# Altium PCB Cueing-PCB-Mk2_4302024.PcbDoc (continued)
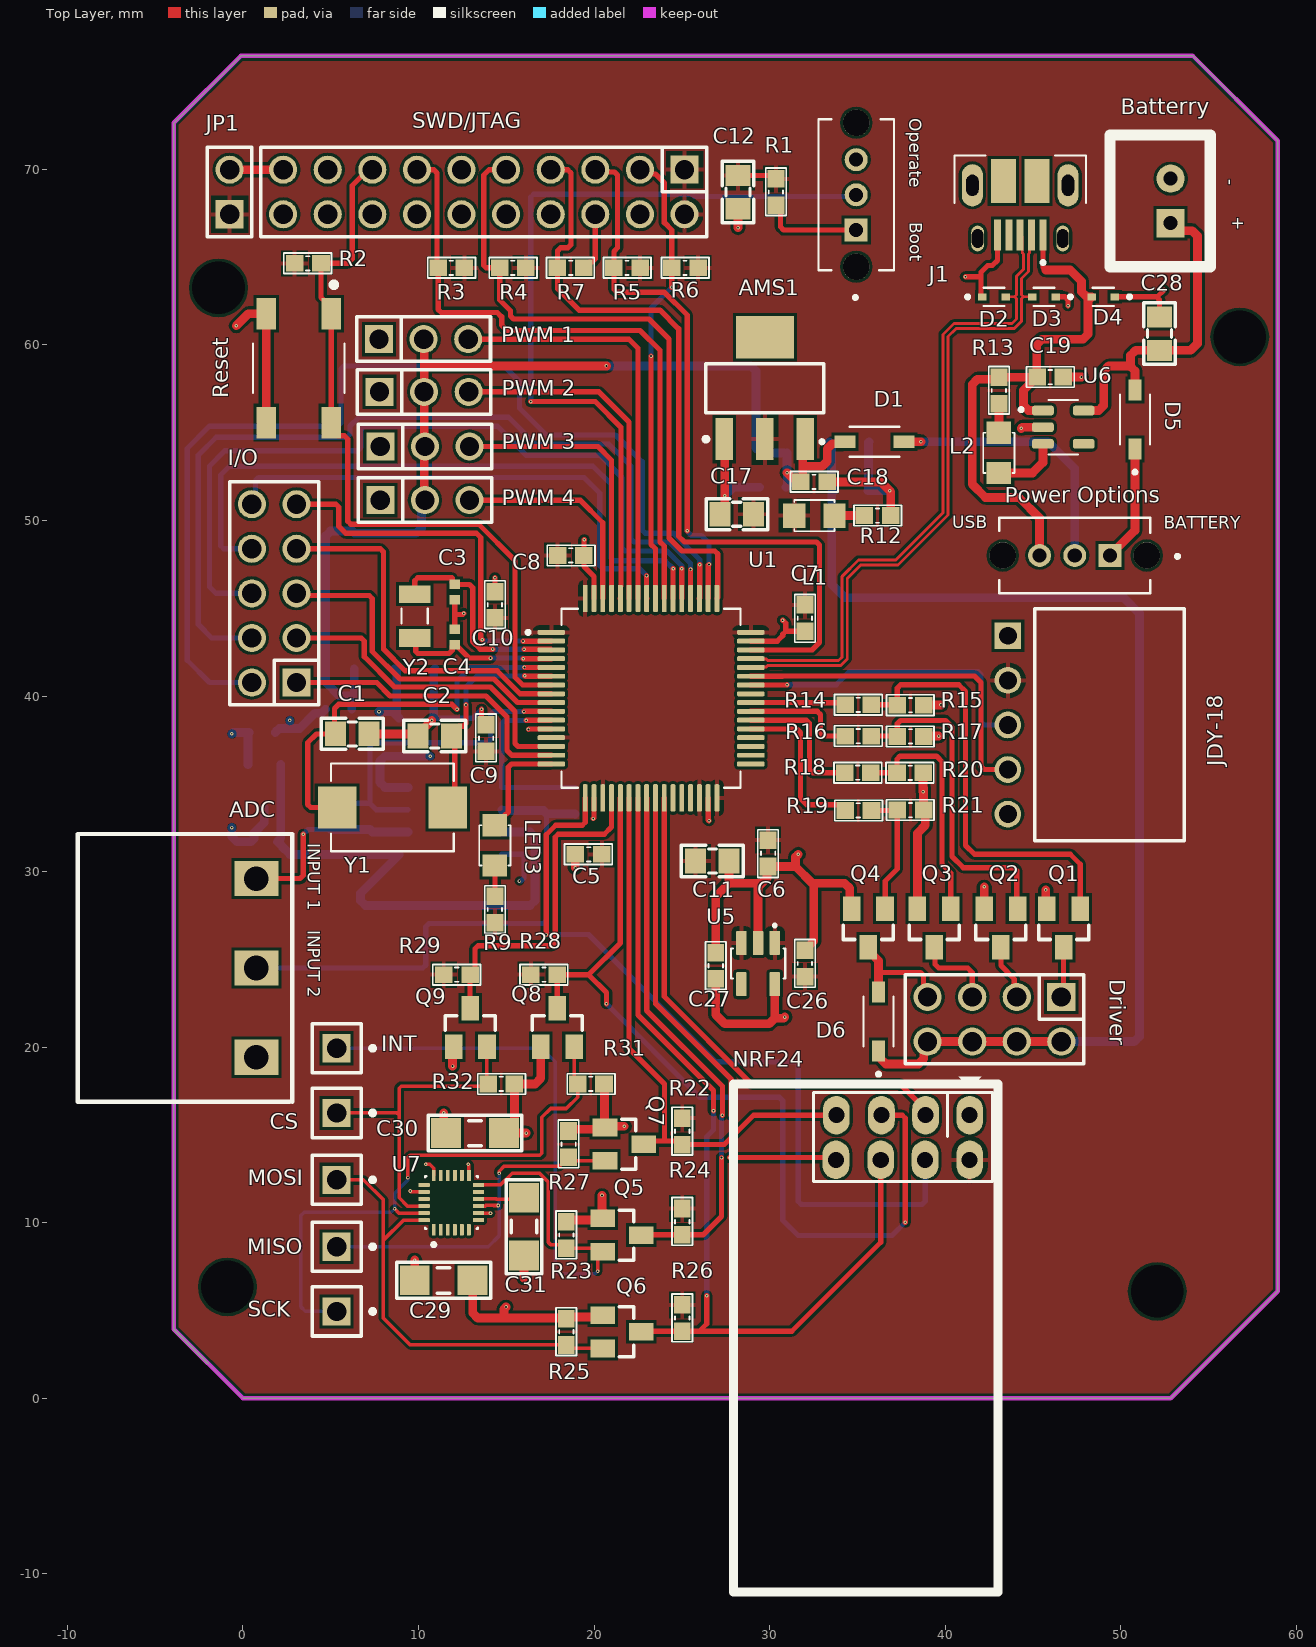
[diagram p0: Top Layer view]
## Footprints (in the part's own frame and the unit in brackets; to place one, negate y for a bottom-side part, rotate by r counter-clockwise, add the part's x,y. Pads: shape width x height; smd on the part's side, far side on the other; paste and mask are expansions set on the pad) (continued)
  rrect50% 0.28x1.56 smd: 17(-3.75,-5.68) 18(-3.25,-5.68) 19(-2.75,-5.68) 20(-2.25,-5.68) 21(-1.75,-5.68) 22(-1.25,-5.68) 23(-0.75,-5.68) 24(-0.25,-5.68) 25(0.25,-5.68) 26(0.75,-5.68) 27(1.25,-5.68) 28(1.75,-5.68) 29(2.25,-5.68) 30(2.75,-5.68) 31(3.25,-5.68) 32(3.75,-5.68) 49(3.75,5.68) 50(3.25,5.68) 51(2.75,5.68) 52(2.25,5.68) 53(1.75,5.68) 54(1.25,5.68) 55(0.75,5.68) 56(0.25,5.68) 57(-0.25,5.68) 58(-0.75,5.68) 59(-1.25,5.68) 60(-1.75,5.68) 61(-2.25,5.68) 62(-2.75,5.68) 63(-3.25,5.68) 64(-3.75,5.68)
  silkscreen extent -7.1,-5.1 5.1,5.1
SOD3715X145N [mm]
  rect 1.21x0.73 smd: A(1.68,0) C(-1.68,0)
  silkscreen extent -3.1,-0.85 1.43,0.85, body extent -1.83,-0.77 1.83,0.77, height 0.8
SOIC127P599X175-8N [mm]
  rrect25% 1.58x0.6 smd: 1(-2.67,1.905) 2(-2.67,0.635) 3(-2.67,-0.635) 4(-2.67,-1.905) 5(2.67,-1.905) 6(2.67,-0.635) 7(2.67,0.635) 8(2.67,1.905)
  silkscreen extent -4.35,-2.52 1.99,2.6, body extent -3,-2.45 3,2.45, height 1.75
SOT23 [mm]
  rect 1x1.4 smd: 1(-0.95,-1.1) 2(0.95,-1.1) 3(0,1.1)
  silkscreen extent -1.42,-0.15 1.42,0.66, body extent -1.18,-1.46 1.18,1.46, height 1.25
SOT95P275X110-5N [mm]
  rrect50% 1.24x0.55 smd: 1(-1.16,0.95) 2(-1.16,0) 3(-1.16,-0.95) 4(1.16,-0.95) 5(1.16,0.95)
  silkscreen extent -2.5,-1.55 0.83,1.55
SOT95P280X100-5N [mil]
  rect 48x20 smd: 1(-48,37) 2(-48,0) 3(-48,-37) 4(48,-37) 5(48,37)
  silkscreen extent -16,-57 34,57, body extent -55,-57 55,57, height 39
SOT95P285X145-5N [mm]
  rrect15% 1.37x0.59 smd: 1(-1.175,0.95) 2(-1.175,0) 3(-1.175,-0.95) 4(1.175,-0.95) 5(1.175,0.95)
  silkscreen extent -2.23,-1.55 0.85,1.55, body extent -1.4,-1.5 1.4,1.5, height 1.4
SOT223 [mm]
  rect 1x2.4 smd: 1(-2.3,-2.9) 2(0,-2.9) 3(2.3,-2.9)
  rect 3.3x2.4 smd: 4(0,2.9)
  silkscreen extent -3.47,-3.02 3.35,1.4, body extent -3.25,-3.56 3.25,3.4, height 1.68
SW_OS102011MS2QN1 [mm]
  rect 1.308x1.308 hole 0.8: 1(-2,0)
  round 1.308 hole 0.8: 2(0,0) 3(2,0)
  round 1.5 hole 1.5 unplated: ""(-4.1,0) ""(4.1,0)
  silkscreen extent -5.95,-2.15 4.3,2.15, body extent -4.3,-2.15 4.3,2.15, height 4.4
SW_SKQGAFE010 [mm]
  rect 1.8x1.1 smd: 1(-3.1,1.85) 2(3.1,1.85) 3(-3.1,-1.85) 4(3.1,-1.85)
  silkscreen extent -4.9,-2.6 1.4,2.6
"tro smd 0603" [mm] "Chip Capacitor, 2-Leads, Body 1,60x0,80mm, IPC Medium Density"
  rect 1x0.95 smd mask+0.076: 1(-0.75,0) 2(0.75,0)
  silkscreen extent -1.35,-0.58 1.37,0.58, body extent -0.82,-0.42 0.82,0.43, height 0.44
"tu 0603" [mm] "Chip Capacitor, 2-Leads, Body 1,60x0,80mm, IPC Medium Density"
  rect 1x0.95 smd mask+0.076: 1(-0.75,0) 2(0.75,0)
  silkscreen extent -1.35,-0.58 1.37,0.58, body extent -0.8,-0.4 0.8,0.4, height 0.9
"tu 0805" [mm] "Compoment SMD 80x50mil"
  rect 1.2x1.4 smd: 1(-0.946,-0.003) 2(0.954,-0.003)
  silkscreen extent -1.75,-0.89 1.75,0.89, body extent -1.01,-0.64 1.01,0.63, height 0.61
"tu 1206" [mm]
  rect 1.7x1.7 smd: 1(-1.65,0) 2(1.65,0)
  silkscreen extent -2.67,-1.02 2.67,1.02, body extent -1.57,-0.8 1.63,0.8, height 0.94
TVS_LESD5D5.0CT1G [mm]
  rect 0.48x0.4 smd: 1(-0.66,0) 2(0.66,0)
  silkscreen extent -1.6,-0.52 0.6,0.52, body extent -0.8,-0.4 0.8,0.4, height 0.7
XH2.54M-2 [mm]
  rect 1.6x1.6 hole 0.8: 1(0,0)
  round 1.6 hole 0.8: 2(2.54,0)
  silkscreen extent -2.48,-2.26 5.02,3.46, body extent -2.48,-2.26 5.02,3.48, height 6.91
XTAL_CM7V-T1A-32.768KHZ-12.5PF-100PPM-TB-QC [mm]
  rect 1x1.8 smd: 1(-1.25,0) 2(1.25,0)
  silkscreen extent -0.43,-0.75 0.43,0.75, body extent -1.6,-0.75 1.6,0.75, height 0.65
XTAL_ECS-80-20-20A-TR [mm]
  rect 2.2x2.4 smd: 1(-3.15,0) 2(3.15,0)
  silkscreen extent -3.5,-2.5 3.5,2.5, body extent -3.5,-2.5 3.5,2.5, height 1.7

## Part data
ADC: "Cắm", Chung_Loai=Cắm, Don_Vi=Con, Ma_Hang=MH000760, Ten_Linh_Kien="CON 3 2EDG5.08-3P 5.08MM ( Xanh Cong)"
AMS1 AMS2 AMS3: library part "AMS1117 SMD", "Dán", Chung_Loai=Dán, Don_Vi=Con, Ma_Hang=MH000596
Batterry: library part "Header 2P 2.54 Duc Thang", "Cắm", Chung_Loai=Cắm, Don_Vi=Con, Ma_Hang=MH001283, Ten_Linh_Kien="Header 2P XH2.54-2P Đực Thẳng"
Boot "Power Options": "Switch Slide ON ON SPDT Top Slide 0.1A 12VDC 10000Cycles PC Pins Thru-Hole Bulk", Package=None, Availability=Unavailable, MF="{'manufacturer': u'C&K'}", MP=OS102011MS2QN1, Price=None
C1 C2: library part "Tu 0805 20pF 50V 10%", "Dán", Chung_Loai=Dán, Don_Vi=Con, Ma_Hang=MH004558, So_Chan=2, Ten_Linh_Kien="Tụ 0805 20P 10% 50V"
C3 C4: "0402 12 pF 50 V Â±5% Tolerance C0G SMT Multilayer Ceramic Capacitor", Package=None, Availability=Unavailable, MF="{'manufacturer': u'Murata'}", MP=GRM1555C1H120JA01D, Price=None
C5 C6 C7 C8 C9 C10: library part "Tu 0603 103 50V 10%", "Dán", Chung_Loai=Dán, Don_Vi=Con, Ma_Hang=MH004567, So_Chan=2, Ten_Linh_Kien="Tụ 0603 103-10nF 10% 50V"
C11 C12: library part "Tu 0805 225 25V 10%", "Dán", Chung_Loai=Dán, Don_Vi=Con, Ma_Hang=MH007483, So_Chan=2, Ten_Linh_Kien="Tụ 0805 225-2.2uF 25V 10%"
C13 C15: library part "Tu 0603 470pF 50V 10%", "Dán", Chung_Loai=Dán, Don_Vi=Con, Ma_Hang=MH004571, So_Chan=2, Ten_Linh_Kien="Tụ 0603 470P 50V 10%"
C17 C22 C24: library part "Tu 0805 224 50V 10%", "Dán", Chung_Loai=Dán, Don_Vi=Con, Ma_Hang=MH004559, So_Chan=2, Ten_Linh_Kien="Tụ 0805 224-0.22uF 10% 50V"
C18 C19 C23 C25: library part "Tu 0603 106 16V 20%", "Dán", Chung_Loai=Dán, Don_Vi=Con, Ma_Hang=MH004848, So_Chan=2, Ten_Linh_Kien="Tụ 0603-10uF 20% 16V"
C20 C21 C26 C27: library part "Tu 0603 105 16V 20%", "Dán", Chung_Loai=Dán, Don_Vi=Con, Ma_Hang=MH004574, So_Chan=2, Ten_Linh_Kien="Tụ 0603 105-1uF 20% 16V"
C28: library part "Tu 0805 10pF 50V 10%", "Dán", Chung_Loai=Dán, Don_Vi=Con, Ma_Hang=MH004554, So_Chan=2, Ten_Linh_Kien="Tụ 0805 10P 10% 50V"
C29 C30 C31: library part "Tu 1206 104 50V 20%", "Dán", Chung_Loai=Dán, Don_Vi=Con, Ma_Hang=MH004544, So_Chan=2, Ten_Linh_Kien="Tụ 1206 104-0.1uF 20% 50V"
CS INT MISO MOSI SCK: library part "JP 1x1 2.54 Duc Thang", "Cắm", Chung_Loai=Cắm, Don_Vi=Con, Ma_Hang=MH000903, Ten_Linh_Kien="Jump Đơn Đực 2.54MM 1x40P Thẳng 11MM"
D1 D5 D6: "1N5819HW Series 40 V 1 A Surface Mount Schottky Barrier Rectifier - SOD-123", Package=None, Availability=Unavailable, MF="{'manufacturer': u'Diodes Inc.'}", MP=1N5819HW-7-F, Price=None
D2 D3 D4 U2 U6 Y2: Package=None, Availability=Unavailable, Price=None
  D2 D3 D4: MF="{'manufacturer': u'Leshan Radio Co.'}", MP=LESD5D5.0CT1G
  U2: MF="{'manufacturer': u'Texas Instruments'}", MP=OPA2335AID
  U6: MF="{'manufacturer': u'Analog Devices'}", MP=MAX1555EZK+
  Y2: MF="{'manufacturer': u'Micro Crystal'}", MP=CM7V-T1A-32.768KHZ-12.5PF-100PPM-TB-QC
Driver: library part "JP 2x4 2.54 Duc Thang", "Cắm", Chung_Loai=Cắm, Don_Vi=Con, Ma_Hang=MH002686, Ten_Linh_Kien="Jump Đôi Đực 2.54MM 2x40P Thẳng 11MM"
I/O: library part "JP 2x5 2.54 Duc Thang", "Cắm", Chung_Loai=Cắm, Don_Vi=Con, Ma_Hang=MH002686, Ten_Linh_Kien="Jump Đôi Đực 2.54MM 2x40P Thẳng 11MM"
J1: "USB - micro B USB 2.0 Receptacle Connector 5 Position Surface Mount, Right Angle; Through Hole", Package=None, Availability=Unavailable, MF="{'manufacturer': u'FCI Connectors'}", MP=10103594-0001LF, Price=None
JDY-18: library part "JP 1x5 2.54 Cai Cong", "Cắm", Chung_Loai=Cắm, Don_Vi=Con, Ma_Hang=MH001265, Ten_Linh_Kien="Jump Đơn Cái 2.54MM 1x40P Cong"
JP1: library part "JP 1x2 2.54 Duc Thang", "Cắm", Chung_Loai=Cắm, Don_Vi=Con, Ma_Hang=MH000903, Ten_Linh_Kien="Jump Đơn Đực 2.54MM 1x40P Thẳng 11MM"
L1: library part "LED 0805 Xanh La", "Dán", Chung_Loai=Dán, Don_Vi=Con, Ma_Hang=MH002326, Ten_Linh_Kien="LED 0805 Màu Xanh Lá (Green)"
L2: library part "LED 0805 Do", "Dán", Chung_Loai=Dán, Don_Vi=Con, Ma_Hang=MH000897, Ten_Linh_Kien="LED 0805 Màu Đỏ (Red)"
LED3: library part "LED 0805 Vang", "Dán", Chung_Loai=Dán, Don_Vi=Con, Ma_Hang=MH002329, Ten_Linh_Kien="LED 0805 Màu Vàng ( Yellow)"
"PWM 1" "PWM 2" "PWM 3" "PWM 4": library part "JP 1x3 2.54 Duc Thang", "Cắm", Chung_Loai=Cắm, Don_Vi=Con, Ma_Hang=MH000903, Ten_Linh_Kien="Jump Đơn Đực 2.54MM 1x40P Thẳng 11MM"
Q1 Q2 Q3 Q4 Q5 Q6 Q7 Q8 Q9: "<b>N-Channel MOSFET</b>    <a href=\"https://pricing.snapeda.com/parts/SI2312/Micro%20Commercial%20Components/view-part?ref=eda\">Check availability</a> <a href=\"https://pricing.snapeda.com/parts/SI2312/Micro%20Commercial%20Components/view-part?ref=eda\">Check availability</a>", Package=None, Availability=Unavailable, MF="{'manufacturer': u'Micro Commercial Components'}", MP=SI2312-TP, Price=None
R1 R2 R3 R4 R5 R6 R7 R15 R17 R20 R21: library part "Tro 0603 1% 10k", "Dán", Chung_Loai=Dán, Don_Vi=Con, Ma_Hang=MH006333, So_Chan=2, Ten_Linh_Kien="Trở 0603 1% 10k"
R8 R10: library part "Tro 0603 1% 3.9k", "Dán", Chung_Loai=Dán, Don_Vi=Con, Ma_Hang=MH005793, So_Chan=2, Ten_Linh_Kien="Trở 0603 1% 3.9k"
R9 R13 R14 R16 R18 R19: library part "Tro 0603 1% 1k", "Dán", Chung_Loai=Dán, Don_Vi=Con, Ma_Hang=MH006334, So_Chan=2, Ten_Linh_Kien="Trở 0603 1% 1k"
R12: library part "Tro 0603 5% 1k", "Dán", Chung_Loai=Dán, Don_Vi=Con, Ma_Hang=MH006319, So_Chan=2, Ten_Linh_Kien="Trở 0603 5% 1k"
R22 R23 R24 R25 R26 R27 R28 R29 R31 R32: library part "Tro 0603 5% 2.2k", "Dán", Chung_Loai=Dán, Don_Vi=Con, Ma_Hang=MH006321, So_Chan=2, Ten_Linh_Kien="Trở 0603 5% 2.2k"
Reset: "Switch Tactile N.O. SPST Button Gull Wing 0.05A 12VDC 0.98N SMD T/R", Package=None, Availability=Unavailable, MF="{'manufacturer': u'ALPS'}", MP=SKQGAFE010, Price=None
SWD/JTAG: library part "JP 2x10 2.54 Duc Thang", "Cắm", Chung_Loai=Cắm, Don_Vi=Con, Ma_Hang=MH002686, Ten_Linh_Kien="Jump Đôi Đực 2.54MM 2x40P Thẳng 11MM"
U1: "MCU 32-Bit STM32 ARM Cortex M4 RISC 512KB Flash 2.5V/3.3V 64-Pin LQFP Tray", Package=None, Availability=Unavailable, MF="{'manufacturer': u'STMicroelectronics'}", MP=STM32F446RET6, Price=None
U4: "Micropower, 400mV Reference with Rail-to-Rail Buffer Amplifier", Package=None, Availability=Unavailable, MF="{'manufacturer': u'Analog Devices'}", MP=LT6650IS5#TRPBF, Price=None
U5: "LDO Regulator Pos 1.8V 0.3A 5-Pin SOT-25 T/R", Package=None, Availability=Unavailable, MF="{'manufacturer': u'Diodes Inc.'}", MP=AP7331-18WG-7, Price=None
U7: "Accelerometer, Gyroscope, Magnetometer, 9 Axis Sensor IÂ²C, SPI Output", Package=None, Availability=Unavailable, MF="{'manufacturer': u'TDK InvenSense'}", MP=ICM-20948, Price=None
Y1: "SMD CRYSTAL", Package=None, Availability=Unavailable, MF="{'manufacturer': u'ECS Inc.'}", MP=ECS-80-20-20A-TR, Price=None

## Free pads (board coordinates)
  round 1.524 hole 3: 6(52.07,6.096) 7(56.769,60.452) 9(-0.889,6.35) 10(-1.397,63.246)

## Via types
v1: diameter 0.2, hole 0.1, Top Layer to Bottom Layer, 85 vias

## Nets (pads, with @x,y where several pads share a name; then routed paths per layer and width w, separated by ;. In a path a pad name is that pad's centre, name@x,y a point inside that pad or via, vN(x,y) a via of type N, cw(c..) or ccw(c..) an arc to the next point about the centre after c; other vN are vias at no path point)
0.4V: C21.1 U2.3 U2.5 U4.1 U4.5 | length 31.1
  Bottom Layer w0.5: U4.5 U4.1 2.15,33.657 2.15,31.903 C21.1 1.977,31.705 2.202,31.48 2.202,31.455 2.684,30.973 8.89,30.973 6.691,28.774 6.691,28.36 6.984,28.067 16.344,28.067 16.637,28.36 16.637,31.965 16.344,32.258 U2.3
+1.8V: C27.1 C29.1 C30.1 Q5.1 Q6.1 Q7.1 Q8.1 Q9.1 R23.2 R25.2 R27.2 R31.2 R32.2 U5.5 U7.8 U7.13 | length 38.1
  Top Layer w0.2: v1(12.827,13.335) 12.865,13.297 U7.13 ; U7.8 13.424,10.541 v1(14.097,10.541)
  Top Layer w0.5: v1(11.938,18.923) 11.938,19.967 Q9.1 ; C29.1 13.081,4.865 13.374,4.572 14.859,4.572 ; v1(14.986,5.207) 14.859,5.08 14.859,4.572 ; v1(16.129,15.113) C30.1 15.458,15.713 15.458,16.678 15.462,16.682 R32.2 16.637,17.907 16.957,18.227 Q8.1 ; R23.2 18.512,10.152 20.389,10.152 Q5.1 20.701,10.464 20.447,10.718 v1(20.447,11.557) ; R27.2 18.642,15.328 20.517,15.328 Q7.1 ; Q6.1 20.388,4.642 18.513,4.642 R25.2 18.383,4.572 14.859,4.572 ; R31.2 20.59,17.879 20.59,15.455 Q7.1 ; v1(21.717,15.494) 20.683,15.494 Q7.1 ; C27.1 26.924,21.844 27.432,21.336 29.972,21.336 30.287,21.651 ; U5.5 30.287,21.651 ; v1(30.861,21.717) 30.795,21.651 30.287,21.651
+3.3V_STM32: AMS1.2 C5.1 C6.1 C7.1 C8.1 C9.1 C10.1 C11.1 C12.1 C17.1 C26.1 JDY-18.2 JP1.1 L1.1 NRF24.2 R1.2 R2.2 R3.2 R4.2 R5.2 R6.2 R9.2 R22.2 R24.2 R26.2 R28.2 R29.2 SWD/JTAG.1 SWD/JTAG.20 U1.1 U1.13 U1.19 U1.30 U1.32 U1.48 U1.64 U5.1 U5.3 | length 2.2
  Top Layer w0.3: C12.1 30.157,69.653 R1.2
+5V: "PWM 1.2" "PWM 2.2" "PWM 3.2" "PWM 4.2" AMS1.3 AMS2.3 AMS3.3 C18.1 C23.1 C25.1 D1.C | length 63.1
  Top Layer w0.5: 10.287,60.325 10.325,60.287 10.325,58.801 ; 10.363,51.156 10.325,51.194 10.325,58.801 ; v1(20.701,58.801) 10.325,58.801 ; v1(30.988,52.715) 31.281,52.422 31.549,52.422 C18.1 31.877,52.3 31.877,53.086 ; AMS1.3 31.877,54.49 31.877,53.086 ; D1.C 34.175,54.368 33.567,54.368 33.274,54.075 33.274,53.379 32.981,53.086 31.877,53.086
  Bottom Layer w0.5: C23.1 6.199,39.865 ; 6.336,39.865 6.336,40.02 ; AMS2.3 6.336,40.02 ; 10.363,51.156 10.16,50.953 10.16,49.569 9.867,49.276 6.35,49.276 6.223,49.403 4.992,49.403 4.699,49.11 4.699,40.798 5.476,40.02 6.336,40.02 ; v1(20.701,58.801) 28.917,58.801 29.21,58.508 29.21,54.141 29.503,53.848 AMS3.3@30.818,53.848 ; C25.1 30.999,51.96 v1@30.999,52.705 ; 30.987,52.832 AMS3.3@30.987,53.467 ; AMS3.3@30.999,53.467 AMS3.3@30.999,53.848
+AVCC: AMS2.2 C20.1 C22.1 U2.8 U4.4 | length 13
  Bottom Layer w0.5: v1(-0.635,37.846) -0.559,37.922 C20.1 0.278,37.863 0.278,36.103 U4.4 ; v1(7.747,39.116) 8.509,39.116 C22.1@8.763,38.862 ; AMS2.2 8.763,41.423 C22.1@8.763,38.862 ; U2.8 8.092,34.798 7.799,35.091 7.799,36.283 8.092,36.576 v1(10.668,36.576) ; C22.1@8.763,38.862 C22.1 C22.1@8.763,38.862
+V_Bat: "Power Options.1" D5.C | length 6.7
  Top Layer w0.5: 49.371,48.006 50.8,49.435 D5.C
+V_Driver: AMS3.2 C24.1 D6.C Driver.5 Driver.6 Driver.7 Driver.8 | length 67.1
  Top Layer w0.5: D6.C 36.31,19.668 36.31,19.343 36.603,19.05 38.476,19.05 38.774,19.347 38.774,20.105 Driver.5 Driver.6 Driver.7 Driver.8
  Bottom Layer w0.5: AMS3.2 33.522,54.33 33.522,51.847 C24.1 33.528,51.544 33.528,46.355 34.29,45.593 50.165,45.593 51.054,44.704 51.054,20.613 50.761,20.32 Driver.8
+V_USB: "Power Options.3" C19.1 D4.2 J1.1 R13.2 U6.1 | length 32.3
  Top Layer w0.3: J1.1 45.565,64.417 45.72,64.262
  Top Layer w0.5: C19.1@45.211,58.178 C19.1@45.193,58.16 ; C19.1@45.212,58.178 45.212,60.032 45.505,60.325 47.84,60.325 48.133,60.618 48.133,62.54 D4.2 48.045,62.738 47.752,63.031 47.752,63.627 47.117,64.262 45.72,64.262 ; 45.371,48.006 45.371,50.133 44.196,51.308 42.291,51.308 41.529,52.07 41.529,57.746 41.828,58.045 42.944,58.045 R13.2 43.059,58.16 C19.1@45.193,58.16 ; U6.1 44.743,56.261 44.45,56.554 44.45,57.417 C19.1@45.193,58.16
Boot: Boot.2 U1.60 | length 45.9
  Top Layer w0.3: v1(16.383,56.769) 20.066,56.769 21.531,55.304 21.531,46.279 21.501,46.249 21.501,45.568 U1.60
  Bottom Layer w0.3: v1(16.383,56.769) 16.383,68.404 16.559,68.58 25.573,68.58 25.7,68.453 34.83,68.453 Boot.2
GND: "PWM 1.1" "PWM 2.1" "PWM 3.1" "PWM 4.1" ADC.1 AMS1.1 AMS2.1 AMS3.1 Batterry.2 Boot.3 C1.2 C2.2 C3.1 C4.1 C5.2 C6.2 C7.2 C8.2 C9.2 C10.2 C11.2 C12.2 C17.2 C18.2 C19.2 C20.2 C21.2 C22.2 C23.2 C24.2 C25.2 C26.2 C27.2 C28.2 C29.2 C30.2 C31.2 D2.1 D3.1 D4.1 J1.5 JDY-18.1 NRF24.1 pad.6 pad.7 pad.9 pad.10 Q1.2 Q2.2 Q3.2 Q4.2 R7.1 R12.2 R15.1 R17.1 R20.1 R21.1 Reset.3 Reset.4 SWD/JTAG.11 SWD/JTAG.12 SWD/JTAG.13 SWD/JTAG.14 SWD/JTAG.15 SWD/JTAG.16 SWD/JTAG.17 SWD/JTAG.18 SWD/JTAG.19 U1.12 U1.18 U1.31 U1.47 U1.63 U2.4 U4.2 U5.2 U6.2 U7.18 U7.20 | length 120.1
  Top Layer w0.2: v1(9.525,11.811) 9.581,11.755 U7.20 ; v1(10.414,13.335) 10.631,13.335 10.855,13.111 10.855,12.71 U7.18
  Top Layer w0.3: C4.1 12.065,44.646 ; C3.1 12.065,44.646 ; v1(12.573,44.704) 12.515,44.646 12.065,44.646 ; v1(13.589,39.243) 13.589,38.608 C9.2 ; C10.2 v1(14.351,46.736) ; v1(16.256,38.1) 16.284,38.128 U1.12 ; R7.1 19.733,64.714 19.89,64.714 20.066,64.89 SWD/JTAG.18 ; v1(19.431,48.895) 19.419,48.883 C8.2 19.419,47.383 19.991,46.811 U1.63 ; v1(19.951,33.02) 19.991,33.06 U1.18 ; U1.31 26.491,32.945 v1(26.543,32.893) ; U1.47 30.428,43.128 30.734,43.434 30.734,43.512 30.91,43.688 ; v1(30.734,44.323) 30.91,44.147 30.91,43.688 ; C7.2 30.91,43.688 ; v1(41.148,63.881) 42.037,63.881 ; D2.1 42.087,62.738 42.037,62.788 42.037,63.881 ; J1.5 42.965,64.809 42.672,64.516 42.418,64.516 42.037,64.135 42.037,63.881 ; D3.1 46.814,62.738 46.99,62.562 v1(46.99,62.23) ; D4.1 52.021,62.738 ; C28.2 52.197,62.562 52.021,62.738 ; v1(52.451,63.119) 52.07,62.738 52.021,62.738
  Top Layer w0.5: v1(-0.381,61.087) 0.306,61.774 Reset.3 Reset.4 ; C1.2 9.847,37.843 C2.2 9.968,37.822 v1(10.753,38.608) ; v1(9.779,7.874) 9.779,6.733 C29.2 ; v1(11.43,16.256) 11.43,15.241 C30.2 ; v1(16.002,6.858) C31.2 ; v1(18.923,30.226) 18.923,30.976 C5.2 ; C27.2 26.924,28.585 27.681,29.342 ; C17.2 27.432,50.617 v1(27.432,51.41) 27.432,54.617 AMS1.1 ; C11.2 27.681,29.342 ; C12.2 28.191,66.678 v1(28.194,66.675) ; U5.2 29.337,29.122 29.552,29.337 ; v1(31.623,30.988) 31.464,30.829 31.464,30.294 ; C26.2 32.004,25.54 32.512,26.048 32.512,29.337 ; C18.2 36.322,52.197 v1(36.83,51.689) 36.891,51.628 R12.2 ; Q4.2 34.551,28.011 34.551,29.044 34.258,29.337 32.421,29.337 31.464,30.294 ; Q3.2 38.412,32.189 38.862,32.639 38.862,33.41 R21.1 38.765,34.768 38.735,34.739 v1(38.735,34.544) 38.735,35.615 R20.1 ; R17.1 38.787,37.719 v1(39.624,37.719) ; R15.1 39.737,39.483 v1(39.751,39.497) ; Q2.2 v1(42.215,29.134) ; v1(44.323,55.245) 44.389,55.311 U6.2 ; v1(45.72,28.956) 45.72,27.963 Q1.2 ; C19.2 v1(47.752,58.166) ; 27.681,29.342 27.686,29.337 29.552,29.337 ; 29.552,29.337 29.845,29.63 29.845,30.235 C6.2 31.464,30.294
  Bottom Layer w0.3: C22.2 13.081,38.735 v1(13.589,39.243) ; U2.4 16.002,30.988 16.002,29.64 15.826,29.464 v1(15.748,29.464)
  Bottom Layer w0.5: v1(-0.635,32.512) -0.635,31.998 -0.342,31.705 C21.2 0.635,31.888 0.635,32.219 1.21,32.794 1.21,33.657 U4.2 ; C20.2 C20.2@1.905,37.99 ; v1(2.667,38.608) 2.667,38.147 ; C23.2 4.474,39.018 4.093,39.018 3.222,38.147 2.667,38.147 ; C22.2 10.863,38.808 10.863,41.477 AMS2.1 ; v1(27.432,51.41) 27.913,51.891 C25.2 ; AMS3.1 35.622,54.439 35.622,51.738 C24.2 36.826,51.693 v1(36.83,51.689) ; C20.2@1.905,37.99 2.052,38.137 2.657,38.137 2.667,38.147 ; C20.2@1.905,37.99 2.062,38.147 2.667,38.147
IMU_CS: Q9.3 R29.1 U1.20 | length 19.3
  Top Layer w0.3: Q9.3 12.934,22.237 R29.1 13.208,24.404 13.208,25.605 13.384,25.781 17.604,25.781 17.78,25.957 17.78,31.955 17.956,32.131 20.574,32.131 20.991,32.548 U1.20
IMU_INT: Q5.3 R24.1 U1.24 | length 30.6
  Top Layer w0.3: Q5.3 22.701,9.315 R24.1 26.204,9.315 27.257,10.368 v1(27.257,13.716) ; U1.24 22.991,22.094 27.305,17.78 v1(27.305,16.129)
  Bottom Layer w0.3: v1(27.257,13.716) 27.257,16.081 v1(27.305,16.129)
IMU_MISO: MISO.1 Q7.2 R27.1 U7.9 | length 20.9
  Top Layer w0.2: U7.9 13.792,10.955 13.834,10.997 14.277,10.997 14.289,10.986 v1(14.541,10.986) ; v1(14.589,12.812) 14.589,12.938 14.859,13.208 18.022,13.208 18.142,13.328 18.167,13.328 18.542,13.703 R27.1 18.742,13.528 Q7.2
  Bottom Layer w0.2: MISO.1 13.97,8.636 14.584,9.25 14.584,10.943 v1(14.541,10.986) 14.605,11.049 14.605,12.795 v1(14.589,12.812)
IMU_MOSI: MOSI.1 Q6.2 R25.1 U7.24 | length 25.9
  Top Layer w0.2: MOSI.1 6.858,12.446 8.001,11.303 8.001,9.017 ; U7.24 9.139,10.155 8.001,9.017 ; Q6.2 18.613,2.842 R25.1 9.531,3.042 8.001,4.572 8.001,9.017
IMU_SCK: Q8.2 R31.1 SCK.1 U7.23 | length 33.1
  Top Layer w0.2: v1(8.636,10.795) 8.876,10.555 U7.23 ; v1(9.398,12.573) 9.398,13.726 9.515,13.843 16.901,13.843 17.018,13.96 17.018,16.002 17.526,16.51 18.415,16.51 19.062,17.157 R31.1 18.857,18.112 Q8.2
  Bottom Layer w0.2: SCK.1 3.556,4.953 3.302,5.207 3.302,10.424 3.488,10.609 8.45,10.609 v1(8.636,10.795) 8.636,11.684 9.398,12.446 v1(9.398,12.573)
INPUT_1: ADC.3 C15.2 R10.1 U2.6 | length 11.2
  Top Layer w0.3: ADC.3 3.253,29.604 3.429,29.779 v1(3.429,32.131)
  Bottom Layer w0.3: v1(3.429,32.131) 3.695,32.397 R10.1
  Bottom Layer w0.5: R10.1 C15.2 7.378,32.258 U2.6
INPUT_2: ADC.2 C13.2 R8.1 U2.2 | length 29.3
  Bottom Layer w0.3: ADC.2 10.238,24.511 10.414,24.687 10.414,26.875 10.59,27.051 17.111,27.051 17.287,27.227 C13.2
  Bottom Layer w0.5: U2.2 14.785,33.478 17.12,33.478 C13.2 17.299,33.299 18.91,33.299 R8.1
LED1: Driver.1 Q1.3 | length 2.9
  Top Layer w0.3: Driver.1 46.736,22.987 Q1.3
LED2: Driver.2 Q2.3 | length 3.2
  Top Layer w0.3: Q2.3 43.165,24.653 43.927,23.891 43.927,23.002 Driver.2
LED3: Driver.3 Q3.3 | length 4.7
  Top Layer w0.3: Q3.3 39.412,25.646 39.412,24.723 39.624,24.511 41.275,24.511 41.529,24.257 Driver.3
NetBatterry_1: Batterry.1 C28.1 D5.A U6.5 | length 19
  Top Layer w0.5: U6.5 48.729,56.261 49.022,56.554 49.022,58.508 49.315,58.801 50.507,58.801 ; D5.A 50.8,58.508 50.507,58.801 ; Batterry.1 53.262,66.499 54.063,66.499 54.356,66.207 54.356,60.071 53.975,59.69 C28.1 50.839,59.69 50.546,59.397 50.546,58.84 50.507,58.801
NetBoot_1: Boot.1 R1.1 | length 5.7
  Top Layer w0.3: R1.1 30.607,67.703 30.607,66.724 30.783,66.548 Boot.1
NetC31_1: C31.1 U7.10 | length 2.6
  Top Layer w0.2: U7.10 13.413,11.357 14.426,11.357 14.428,11.355 15.928,11.355 C31.1
NetD1_A: "Power Options.2" D1.A | length 15.3
  Top Layer w0.5: D1.A v1(38.608,54.483)
  Bottom Layer w0.5: v1(38.608,54.483) 45.847,54.483 47.371,52.959 47.371,48.006
NetJP1_2: JP1.2 SWD/JTAG.10 | length 3
  Top Layer w0.5: JP1.2 SWD/JTAG.10
NetL1_2: L1.2 R12.1 | length 1.7
  Top Layer w0.5: L1.2 R12.1
NetL2_1: L2.1 R13.1 | length 1.7
  Top Layer w0.5: L2.1 R13.1
NetL2_2: L2.2 U6.3 | length 3.8
  Top Layer w0.5: L2.2 44.958,52.705 45.559,53.306 U6.3
NetLED3_1: LED3.1 R9.1 | length 1.8
  Top Layer w0.3: R9.1 LED3.1
NetLED3_2: LED3.2 U1.16 | length 6.2
  Top Layer w0.3: LED3.2 14.414,32.639 14.9,33.124 14.9,33.188 15.113,33.401 15.113,35.952 15.289,36.128 U1.16
NetQ1_1: Q1.1 R14.2 R15.2 | length 24.8
  Top Layer w0.3: R14.2 37.253,39.497 R15.2 37.266,40.464 37.442,40.64 40.767,40.64 41.148,40.259 41.148,31.496 41.656,30.988 47.117,30.988 47.686,30.419 Q1.1
NetQ2_1: Q2.1 R16.2 R17.2 | length 19.1
  Top Layer w0.3: R16.2 37.245,37.719 R17.2 37.266,38.432 37.442,38.608 40.005,38.608 40.386,38.227 40.386,30.861 41.021,30.226 43.893,30.226 44.069,30.05 44.069,27.943 Q2.1
NetQ3_1: Q3.1 R18.2 R20.2 | length 13.6
  Top Layer w0.3: R18.2 37.133,35.636 37.186,35.69 R20.2 37.248,36.4 37.424,36.576 39.497,36.576 39.623,36.45 39.814,36.259 39.814,30.417 40.312,29.919 Q3.1
NetQ4_1: Q4.1 R19.2 R21.2 | length 7.4
  Top Layer w0.3: R19.2 37.24,33.482 R21.2 37.265,30.153 36.576,29.464 36.576,27.908 Q4.1
NRF24_CE: NRF24.3 U1.26 | length 29.2
  Top Layer w0.3: U1.26 23.991,22.888 28.972,17.907 37.427,17.907 38.875,16.459 NRF24.3
NRF24_CSN: NRF24.4 U1.17 | length 44.5
  Top Layer w0.3: v1(17.272,26.416) 17.272,32.098 17.813,32.639 19.315,32.639 19.491,32.815 U1.17
  Bottom Layer w0.3: v1(17.272,26.416) 19.685,26.416 26.924,19.177 31.447,19.177 31.623,19.001 31.623,11.225 31.799,11.049 38.674,11.049 38.849,11.225 NRF24.4
NRF24_INT: NRF24.8 U1.25 | length 28.4
  Top Layer w0.3: U1.25 23.491,22.483 27.813,18.161 v1(27.813,16.129) ; v1(27.717,13.716) 33.642,13.716 NRF24.8
  Bottom Layer w0.3: v1(27.717,13.716) 27.813,13.812 v1(27.813,16.129)
NRST: R2.1 Reset.1 Reset.2 SWD/JTAG.8 U1.7 | length 42.4
  Top Layer w0.3: SWD/JTAG.8 7.122,69.977 6.223,69.078 6.223,64.897 5.969,64.643 R2.1 4.445,62.704 5.025,62.124 Reset.1 5.025,55.231 5.425,54.831 5.768,54.831 5.969,54.63 5.969,49.96 6.145,49.784 13.429,49.784 15.494,47.719 15.494,41.068 15.934,40.628 U1.7
OSC32_IN: C3.2 U1.3 Y2.1 | length 12.1
  Top Layer w0.3: Y2.1 9.779,46.56 9.955,46.736 11.889,46.736 11.915,46.71 C3.2@11.915,46.478 ; C3.2 12.905,46.358 13.081,46.182 13.081,43.101 13.51,42.672 v1(14.224,42.672) ; v1(16.006,42.668) 17.521,42.668 U1.3
  Bottom Layer w0.3: v1(14.224,42.672) 16.002,42.672 v1(16.006,42.668)
OSC32_OUT: C4.2 U1.4 Y2.2 | length 9.2
  Top Layer w0.3: Y2.2 9.84,43.246 9.84,42.533 9.955,42.418 11.739,42.418 11.915,42.594 11.915,42.814 12.035,42.934 12.095,42.934 12.865,42.164 v1(14.097,42.164) ; v1(15.966,42.128) U1.4
  Bottom Layer w0.3: v1(14.097,42.164) 15.93,42.164 v1(15.966,42.128)
OSC_IN: C1.1 U1.5 Y1.1 | length 23
  Top Layer w0.3: Y1.1 3.859,33.655 3.683,33.831 3.683,37.338 4.188,37.843 C1.1 5.207,37.913 5.207,39.284 5.449,39.526 11.909,39.526 v1(12.192,39.243) ; v1(16.03,41.628) U1.5
  Bottom Layer w0.3: v1(12.192,39.243) 12.192,40.841 12.979,41.628 v1(16.03,41.628)
OSC_OUT: C2.1 U1.6 Y1.2 | length 12.7
  Top Layer w0.3: Y1.2 12.065,34.061 12.065,37.525 C2.1 11.868,37.822 12.318,38.272 12.524,38.272 12.7,38.448 v1(12.7,39.497) ; v1(16.053,41.159) 16.084,41.128 U1.6
  Bottom Layer w0.3: v1(12.7,39.497) 12.7,40.513 13.335,41.148 16.042,41.148 v1(16.053,41.159)
PA0: I/O.2 U1.14 | length 18.7
  Top Layer w0.3: I/O.2 6.73,43.307 6.906,43.131 6.906,42.243 8.636,40.513 14.097,40.513 15.494,39.116 15.494,37.304 15.67,37.128 U1.14
PA1: I/O.1 U1.15 | length 17.3
  Top Layer w0.3: I/O.1 7.62,40.767 8.382,40.005 13.843,40.005 15.034,38.814 15.034,36.909 15.319,36.624 17.557,36.624 U1.15
PB5: I/O.6 U1.57 | length 29.8
  Top Layer w0.3: v1(22.987,46.863) 22.987,45.562 U1.57
  Bottom Layer w0.3: I/O.6 0.709,51.128 0.709,52.275 0.884,52.451 19.431,52.451 20.32,51.562 20.32,47.42 20.496,47.244 22.606,47.244 v1(22.987,46.863)
PB6: "PWM 1.3" U1.58 | length 24.1
  Top Layer w0.3: 12.827,60.325 21.971,60.325 22.491,59.805 U1.58
PB7: "PWM 2.3" U1.59 | length 19.9
  Top Layer w0.3: 12.854,57.325 20.272,57.325 21.991,55.606 U1.59
PB8: "PWM 3.3" U1.61 | length 16.3
  Top Layer w0.3: 12.903,54.212 20.21,54.212 20.991,53.431 U1.61
PB9: "PWM 4.3" U1.62 | length 12.4
  Top Layer w0.3: 12.903,51.156 19.202,51.156 20.491,49.867 U1.62
PC0: I/O.4 U1.8 | length 21.2
  Top Layer w0.3: I/O.4 7.825,48.387 8.001,48.211 8.001,42.672 9.24,41.433 14.478,41.433 15.783,40.128 U1.8
PC1: I/O.3 U1.9 | length 18.8
  Top Layer w0.3: I/O.3 3.175,45.72 7.19,45.72 7.366,45.544 7.366,42.545 8.938,40.973 14.288,40.973 15.633,39.628 U1.9
PC2: C15.1 R10.2 U1.10 U2.7 | length 19.8
  Top Layer w0.3: v1(16.002,39.116) 16.014,39.128 U1.10
  Bottom Layer w0.3: R10.2 C15.1 ; U2.7 7.583,33.528 7.239,33.872 C15.1 ; v1(16.002,39.116) 14.273,39.116 14.097,38.94 14.097,37.514 13.921,37.338 7.415,37.338 7.239,37.162 C15.1
PC3: C13.1 R8.2 U1.11 U2.1 | length 10.7
  Top Layer w0.3: v1(16.129,38.608) 16.149,38.628 U1.11
  Bottom Layer w0.3: v1(16.129,38.608) 14.911,38.608 14.735,38.432 U2.1 18.911,34.798 R8.2
PC6: R19.1 U1.37 | length 9.5
  Top Layer w0.3: U1.37 31.546,38.128 31.75,37.924 31.75,34.163 32.005,33.908 32.106,33.807 33.969,33.807 R19.1
PC7: R18.1 U1.38 | length 8.1
  Top Layer w0.3: U1.38 32.082,38.628 32.258,38.452 32.258,35.812 32.434,35.636 R18.1
PC8: R16.1 U1.39 | length 6.6
  Top Layer w0.3: U1.39 32.705,39.128 32.893,38.94 32.893,37.895 33.069,37.719 R16.1
PC9: R14.1 U1.40 | length 5.4
  Top Layer w0.3: U1.40 31.675,39.628 31.679,39.624 34.163,39.624 R14.1
PC10: I/O.10 U1.51 | length 59.2
  Top Layer w0.3: U1.51 26.013,45.58 v1(26.013,47.476)
  Bottom Layer w0.3: I/O.10 -1.905,40.767 -3.175,42.037 -3.175,54.102 -1.905,55.372 5.412,55.372 5.588,55.548 5.588,58.625 5.764,58.801 14.859,58.801 15.748,57.912 15.748,56.388 17.272,54.864 21.209,54.864 22.733,53.34 22.733,49.452 22.909,49.276 24.511,49.276 26.013,47.774 v1(26.013,47.476)
PC11: I/O.9 U1.52 | length 50.1
  Top Layer w0.3: U1.52 v1(25.491,47.208)
  Bottom Layer w0.3: I/O.9 -1.778,43.307 -2.54,44.069 -2.54,53.721 -1.524,54.737 5.92,54.737 6.096,54.913 6.096,55.372 6.604,55.88 15.113,55.88 16.637,54.356 20.828,54.356 22.098,53.086 22.098,48.944 22.274,48.768 24.288,48.768 25.491,47.565 v1(25.491,47.208)
PC12: I/O.8 U1.53 | length 45.4
  Top Layer w0.3: U1.53 v1(24.991,47.244)
  Bottom Layer w0.3: I/O.8 -1.524,45.847 -1.905,46.228 -1.905,53.086 -1.016,53.975 6.537,53.975 6.713,54.151 6.713,55.141 6.731,55.159 6.731,55.196 6.907,55.372 14.478,55.372 16.129,53.721 20.32,53.721 21.59,52.451 21.59,48.436 21.766,48.26 24.146,48.26 24.991,47.415 v1(24.991,47.244)
PC13: I/O.5 U1.2 | length 21.7
  Top Layer w0.3: I/O.5 5.285,50.927 5.461,50.751 5.461,49.657 5.842,49.276 13.286,49.276 13.541,49.021 13.541,43.292 v1(13.621,43.212) ; v1(15.954,43.132) 15.958,43.128 U1.2
  Bottom Layer w0.3: v1(13.621,43.212) 13.701,43.132 v1(15.954,43.132)
PD2: I/O.7 U1.54 | length 38.4
  Top Layer w0.3: U1.54 24.491,47.224 v1(24.511,47.244)
  Bottom Layer w0.3: I/O.7 -1.094,48.387 -1.27,48.563 -1.27,52.578 -0.764,53.084 19.941,53.084 20.955,52.07 20.955,47.88 21.131,47.704 24.051,47.704 v1(24.511,47.244)
S_IMU_CS: CS.1 Q9.2 R32.1 U7.22 | length 18.8
  Top Layer w0.2: CS.1 8.763,16.256 8.89,16.129 ; U7.22 9.365,10.955 8.89,11.43 8.89,16.129 ; Q9.2 13.896,17.972 R32.1 13.835,17.78 9.007,17.78 8.89,17.663 8.89,16.129
S_IMU_INT: INT.1 Q5.2 R23.1 U7.12 | length 39.7
  Top Layer w0.2: U7.12 14.66,12.155 15.332,12.827 16.891,12.827 17.399,12.319 17.399,8.88 17.516,8.763 18.203,8.763 R23.1 20.286,8.553 Q5.2 20.193,8.056 v1(20.193,7.239)
  Bottom Layer w0.2: INT.1 17.018,19.939 17.78,19.177 17.78,7.229 17.897,7.112 20.066,7.112 v1(20.193,7.239)
SPI_MISO: NRF24.7 Q7.3 R22.1 U1.22 | length 32.2
  Top Layer w0.3: U1.22 21.991,19.919 24.003,17.907 24.003,14.654 ; Q7.3 22.993,14.654 24.003,14.654 ; NRF24.7 29.083,16.129 27.41,14.456 R22.1 24.819,14.654 24.003,14.654
SPI_MOSI: NRF24.6 Q6.3 R26.1 U1.23 | length 52.9
  Top Layer w0.3: U1.23 22.491,21.832 26.797,17.526 v1(26.797,16.383) ; Q6.3 22.72,3.824 R26.1 25.986,3.824 ; v1(26.416,5.842) 26.416,4.254 25.986,3.824 ; NRF24.6 36.322,8.89 31.256,3.824 25.986,3.824
  Bottom Layer w0.3: v1(26.416,5.842) 26.416,14.915 26.797,15.296 v1(26.797,16.383)
SPI_SCK: NRF24.5 Q8.3 R28.1 U1.21 | length 50.7
  Top Layer w0.3: Q8.3 17.895,22.237 R28.1 19.685,24.13 ; v1(20.701,22.479) 20.701,23.114 19.685,24.13 ; U1.21 21.491,25.936 19.685,24.13 ; NRF24.5 37.543,16.129 37.719,15.953 v1(37.719,10.033)
  Bottom Layer w0.3: v1(20.701,22.479) 26.035,17.145 30.558,17.145 30.734,16.969 30.734,10.16 31.623,9.271 36.957,9.271 v1(37.719,10.033)
TCK: R4.1 SWD/JTAG.5 U1.49 | length 37.1
  Top Layer w0.3: SWD/JTAG.5 14.019,69.977 13.716,69.674 13.716,64.516 13.843,64.389 R4.1 14.617,62.569 15.24,61.946 15.24,61.644 15.416,61.468 23.114,61.468 24.257,60.325 24.257,49.006 25.003,48.26 26.867,48.26 27.043,48.084 27.043,45.61 U1.49
TDI: R5.1 SWD/JTAG.3 U1.50 | length 29.8
  Top Layer w0.3: SWD/JTAG.3 20.193,69.85 21.16,69.85 21.336,69.674 21.336,65.532 21.124,65.32 R5.1 21.124,63.168 21.3,62.992 24.003,62.992 25.304,61.691 v1(25.304,49.417) ; U1.50 26.491,47.446 v1(26.543,47.498)
  Bottom Layer w0.3: v1(25.304,49.417) 25.304,49.372 25.527,49.149 26.113,49.149 26.416,48.846 26.543,48.719 v1(26.543,47.498)
TDO: R3.1 SWD/JTAG.7 U1.55 | length 37.1
  Top Layer w0.3: SWD/JTAG.7 10.873,69.977 11.056,69.794 11.056,66.317 11.049,66.31 11.049,64.454 R3.1 11.114,62.025 11.29,61.849 14.478,61.849 14.732,61.595 14.732,61.136 15.043,60.825 22.614,60.825 23.749,59.69 23.749,48.784 23.991,48.542 U1.55
TMS: R7.2 SWD/JTAG.4 U1.46 | length 45.9
  Top Layer w0.3: SWD/JTAG.4 18.493,69.977 18.676,69.794 18.676,65.708 18.5,65.532 18.083,65.532 17.907,65.356 R7.2 R7.2 17.908,63.202 19.134,61.976 23.749,61.976 24.813,60.912 24.813,49.101 25.146,48.768 32.653,48.768 32.829,48.592 32.829,43.043 32.414,42.628 U1.46
TRST: R6.1 SWD/JTAG.2 U1.56 | length 26.1
  Top Layer w0.2: U1.56 U1.56@23.495,45.562
  Top Layer w0.3: SWD/JTAG.2 22.855,69.728 23.49,69.728 23.621,69.597 23.996,69.222 23.996,66.961 24.425,66.531 R6.1 24.425,63.464 24.42,63.459 v1(24.42,63.282) ; v1(23.241,59.361) 23.241,48.641 23.495,48.387 23.495,47.244 U1.56@23.495,45.562
  Bottom Layer w0.3: v1(23.241,59.361) 23.241,62.103 v1(24.42,63.282)
UART_Rx: JDY-18.4 U1.43 | length 19.7
  Top Layer w0.3: U1.43 30.714,41.128 30.734,41.148 41.656,41.148 42.037,40.767 42.037,35.99 42.213,35.814 JDY-18.4
UART_Tx: JDY-18.3 U1.42 | length 17.8
  Top Layer w0.3: U1.42 30.976,40.628 v1(30.988,40.64)
  Bottom Layer w0.3: v1(30.988,40.64) 33.782,40.64 34.544,41.402 41.861,41.402 42.037,41.226 42.037,38.53 42.213,38.354 JDY-18.3
USB_N: D3.2 J1.2 U1.44 | length 38
  Top Layer w0.165: U1.44 28.945,41.652 29.799,41.652 29.88,41.732 34.045,41.732 34.417,42.104 34.417,46.698 35.179,47.46 37.3,47.46 40.156,50.316 40.156,60.469 40.61,60.922 43.917,60.922 44.342,61.347 44.342,62.641 44.439,62.738 ; J1.2 44.801,66.149 44.801,65.249 44.736,65.183 44.736,64.183 44.342,63.789 44.342,62.835 44.439,62.738 ; D3.2 44.439,62.738
USB_P: D2.2 J1.3 U1.45 | length 37.5
  Top Layer w0.165: U1.45 28.945,42.104 29.799,42.104 29.88,42.024 33.924,42.024 34.125,42.225 34.125,46.819 35.058,47.752 37.179,47.752 39.865,50.437 39.865,60.59 40.489,61.214 43.796,61.214 44.05,61.468 44.05,62.641 43.953,62.738 ; D2.2 43.953,62.738 ; J1.3 44.379,66.149 44.379,65.249 44.444,65.183 44.444,64.304 44.05,63.91 44.05,62.835 43.953,62.738
Vibrator: D6.A Driver.4 Q4.3 | length 6.8
  Top Layer w0.3: 36.195,24.208 36.244,24.257 38.579,24.257 38.755,24.081 38.755,23.094 Driver.4
  Top Layer w0.5: Q4.3 35.615,25.497 36.195,24.917 36.195,24.208 D6.A
pads on no net: "Power Options." AMS1.4 AMS2.4 AMS3.4 Boot. J1.4 J1.6 J1.7 J1.8 J1.9 J1.10 J1.11 J1.S1 J1.S2 JDY-18.5 SWD/JTAG.6 SWD/JTAG.9 U1.27 U1.28 U1.29 U1.33 U1.34 U1.35 U1.36 U1.41 U4.3 U5.4 U6.4 U7.1 U7.2 U7.3 U7.4 U7.5 U7.6 U7.7 U7.11 U7.14 U7.15 U7.16 U7.17 U7.19 U7.21

## Polygon pours and split planes (outlines as drawn)
+3.3V_STM32 on Top Layer "+3.3V_STM32_L01_P001" (solid, remove dead copper, pour order 0): -0.127,76.454 -3.937,72.644 -3.937,4.064 0.127,0 53.34,0 53.34,0.127 59.436,6.223 59.182,6.477 59.182,71.882 58.42,71.882 54.102,76.2
GND on Int1 (GND) "+3.3V_STM32_L01_P001" (solid, remove dead copper, pour order 2): 0,76.327 -3.556,72.771 -3.683,72.771 -3.683,4.191 0.635,-0.127 52.959,-0.127 59.055,5.969 59.055,72.009 58.674,72.009 54.102,76.581
+1.8V on Int2 (PWR) "+3.3V_STM32_L01_P001" (solid, remove dead copper, pour order 3): 0,76.454 -3.81,72.644 -3.937,72.644 -3.937,3.81 0,-0.127 52.832,-0.127 52.832,0 59.055,6.223 58.801,6.477 58.801,71.755 58.674,71.755 54.229,76.2
+AVCC on Bottom Layer "+3.3V_STM32_L01_P001" (solid, remove dead copper, pour order 5): -0.254,76.581 -4.191,72.644 -4.191,3.81 -0.127,-0.254 53.086,-0.254 59.436,6.096 58.928,6.604 58.928,71.882 58.547,71.882 53.721,76.708

## Keep-outs
Keep-Out Layer:
  the board outline again, w0.254

## Silkscreen, mask and mechanical layers (free items; w line width, h text height)
Top Overlay:
  text "Operate" at 37.697,72.898 h1.2 r270
  text "-" at 56.709,69.088 h1.2 r90
  text "+" at 56.261,66.349 h1.2
  text "USB" at 40.386,49.292 h1.2
  text "BATTERY" at 52.451,49.276 h1.2
  text "INPUT 1" at 3.445,31.623 h1.2 r270
  text "INPUT 2" at 3.445,26.67 h1.2 r270
Bottom Overlay:
  drawing of 20 lines, arcs and shapes, not listed
  text "TDO" at 11.176,71.771 h1.2
  text "TCK" at 15.748,71.771 h1.2
  text "TMS" at 18.669,71.771 h1.2
  text "TRST" at 24.511,71.771 h1.2
  text "TDI" at 21.209,71.755 h1.2

## Text inside footprints (layer, text, board x,y; h text height)
J1: Mechanical 13 "PCB EDGE" at 39.765,70.588 h0.81 r180